# Altium PCB m-BLANC.PcbDoc (part 9 of 15)
Units mm, origin at the board's own origin, x right, y up, seen from the top; angles counter-clockwise.
Board outline 100 x 100 mm, 6 copper layers (Top Layer, InLayer1 (GND), InLayer2 (Signal), InLayer3 (PWR), InLayer4 (GND), Bottom Layer), stack 1.634 mm thick; 322 components, 563 nets, 2865 pads, 1870 vias.
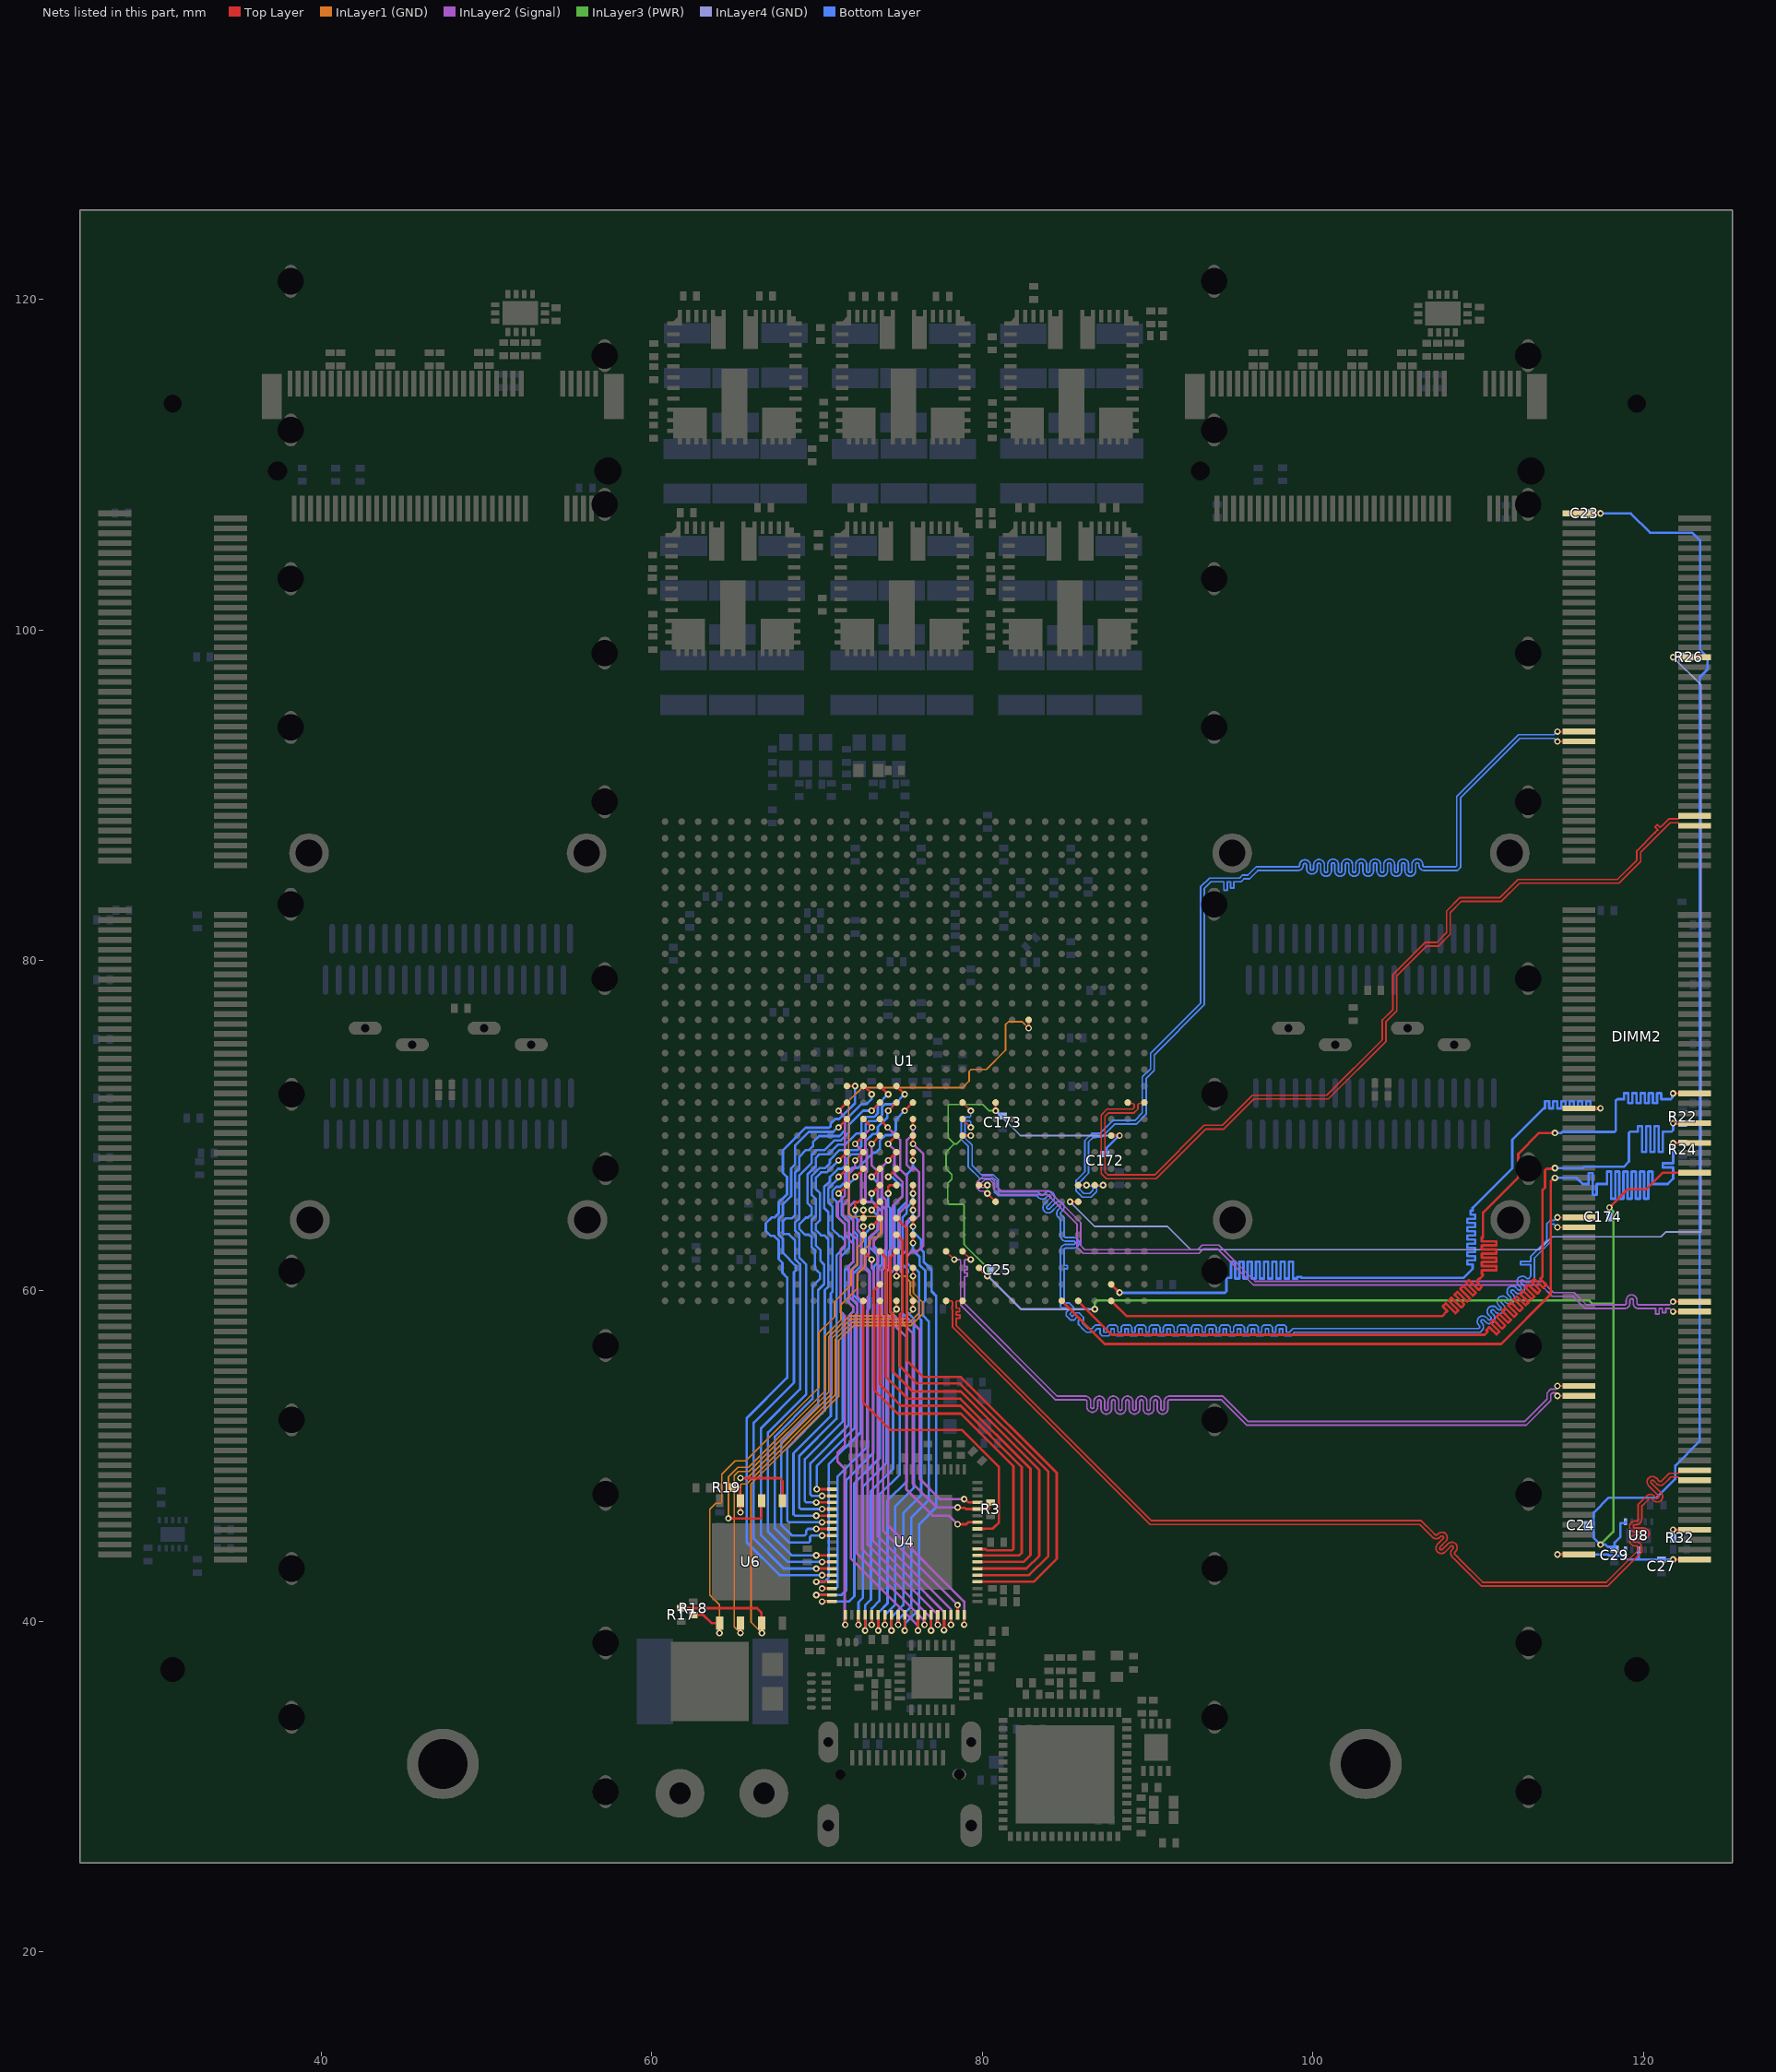
[diagram p13: the nets of this part, all layers, seen from the top]

## Via types
v1: diameter 0.4, hole 0.2, Top Layer to Bottom Layer, tented both sides, 1808 vias
v2: diameter 0.8, hole 0.4, Top Layer to Bottom Layer, tented both sides, 54 vias
v3: diameter 5, hole 3.2, Top Layer to Bottom Layer, 4 vias
v4: diameter 3.5, hole 3.2, Top Layer to Bottom Layer, 4 vias

## Nets (pads, with @x,y where several pads share a name; then routed paths per layer and width w, separated by ;. In a path a pad name is that pad's centre, name@x,y a point inside that pad or via, vN(x,y) a via of type N, cw(c..) or ccw(c..) an arc to the next point about the centre after c; other vN are vias at no path point) (continued)
DRAM2_DQS2_N: DIMM2.45 U1.D23 | length 64.8
  Top Layer w0.1: U1.D23@86.8,66.4 v1(87.3,66.4) ; v1(114.8,93.85) DIMM2.45@116.1,93.85
  Bottom Layer w0.1: v1(87.3,66.4) 87.243,66.343 86.971,66.343 86.913,66.284 86.913,66.007 86.581,65.675 86.044,65.675 85.675,66.044 85.675,66.693 86.2,67.218 86.2,69.113 86.624,69.538 87.119,69.538 87.901,70.319 89.219,70.319 89.681,70.781 89.681,72.952 90.173,73.444 90.173,74.375 93.2,77.402 93.2,84.443 93.745,84.987 95.559,84.987 95.736,85.164 96.069,85.164 96.571,85.666 98.618,85.666 99.096,85.666 ccw(c99.096,85.766) 99.196,85.766 cw(c99.521,85.766) 99.521,86.091 cw(c99.521,85.766) 99.846,85.766 99.846,85.553 ccw(c99.946,85.553) 99.946,85.453 ccw(c99.946,85.553) 100.046,85.553 100.046,85.786 cw(c100.371,85.786) 100.371,86.111 cw(c100.371,85.786) 100.696,85.786 100.696,85.422 ccw(c100.796,85.422) 100.796,85.322 ccw(c100.796,85.422) 100.896,85.422 100.896,85.809 cw(c101.221,85.809) 101.221,86.134 cw(c101.221,85.809) 101.546,85.809 101.546,85.422 ccw(c101.646,85.422) 101.646,85.322 ccw(c101.646,85.422) 101.746,85.422 101.746,85.809 cw(c102.071,85.809) 102.071,86.134 cw(c102.071,85.809) 102.396,85.809 102.396,85.422 ccw(c102.496,85.422) 102.496,85.322 ccw(c102.496,85.422) 102.596,85.422 102.596,85.809 cw(c102.921,85.809) 102.921,86.134 cw(c102.921,85.809) 103.246,85.809 103.246,85.422 ccw(c103.346,85.422) 103.346,85.322 ccw(c103.346,85.422) 103.446,85.422 103.446,85.809 cw(c103.771,85.809) 103.771,86.134 cw(c103.771,85.809) 104.096,85.809 104.096,85.422 ccw(c104.196,85.422) 104.196,85.322 ccw(c104.196,85.422) 104.296,85.422 104.296,85.809 cw(c104.621,85.809) 104.621,86.134 cw(c104.621,85.809) 104.946,85.809 104.946,85.422 ccw(c105.046,85.422) 105.046,85.322 ccw(c105.046,85.422) 105.146,85.422 105.146,85.809 cw(c105.471,85.809) 105.471,86.134 cw(c105.471,85.809) 105.796,85.809 105.796,85.422 ccw(c105.896,85.422) 105.896,85.322 ccw(c105.896,85.422) 105.996,85.422 105.996,85.809 cw(c106.321,85.809) 106.321,86.134 cw(c106.321,85.809) 106.646,85.809 106.646,85.766 ccw(c106.746,85.766) 106.746,85.666 107.333,85.666 108.65,85.666 108.709,85.724 108.709,89.927 112.444,93.662 114.591,93.662 114.779,93.85 v1(114.8,93.85)
DRAM2_DQS2_P: DIMM2.47 U1.E23 | length 65.5
  Top Layer w0.1: U1.E23@85.8,66.4 v1(86.3,66.4) ; v1(114.8,93.25) DIMM2.47@116.1,93.25
  Bottom Layer w0.1: v1(86.3,66.4) 86.357,66.343 86.629,66.343 86.687,66.284 86.687,66.1 86.488,65.9 86.137,65.9 85.9,66.137 85.9,66.6 86.425,67.125 86.425,69.02 86.718,69.313 87.213,69.313 87.994,70.094 89.312,70.094 89.906,70.688 89.906,72.858 90.398,73.351 90.398,74.281 93.425,77.309 93.425,84.349 93.838,84.762 94.366,84.762 94.616,84.762 94.616,84.248 94.816,84.248 94.816,84.762 95.016,84.762 95.016,84.378 95.216,84.378 95.216,84.762 95.457,84.762 95.652,84.762 95.829,84.939 96.162,84.939 96.664,85.441 98.618,85.441 99.096,85.441 ccw(c99.096,85.766) 99.421,85.766 cw(c99.521,85.766) 99.521,85.866 cw(c99.521,85.766) 99.621,85.766 99.621,85.553 ccw(c99.946,85.553) 99.946,85.228 ccw(c99.946,85.553) 100.271,85.553 100.271,85.786 cw(c100.371,85.786) 100.371,85.886 cw(c100.371,85.786) 100.471,85.786 100.471,85.422 ccw(c100.796,85.422) 100.796,85.097 ccw(c100.796,85.422) 101.121,85.422 101.121,85.809 cw(c101.221,85.809) 101.221,85.909 cw(c101.221,85.809) 101.321,85.809 101.321,85.422 ccw(c101.646,85.422) 101.646,85.097 ccw(c101.646,85.422) 101.971,85.422 101.971,85.809 cw(c102.071,85.809) 102.071,85.909 cw(c102.071,85.809) 102.171,85.809 102.171,85.422 ccw(c102.496,85.422) 102.496,85.097 ccw(c102.496,85.422) 102.821,85.422 102.821,85.809 cw(c102.921,85.809) 102.921,85.909 cw(c102.921,85.809) 103.021,85.809 103.021,85.422 ccw(c103.346,85.422) 103.346,85.097 ccw(c103.346,85.422) 103.671,85.422 103.671,85.809 cw(c103.771,85.809) 103.771,85.909 cw(c103.771,85.809) 103.871,85.809 103.871,85.422 ccw(c104.196,85.422) 104.196,85.097 ccw(c104.196,85.422) 104.521,85.422 104.521,85.809 cw(c104.621,85.809) 104.621,85.909 cw(c104.621,85.809) 104.721,85.809 104.721,85.422 ccw(c105.046,85.422) 105.046,85.097 ccw(c105.046,85.422) 105.371,85.422 105.371,85.809 cw(c105.471,85.809) 105.471,85.909 cw(c105.471,85.809) 105.571,85.809 105.571,85.422 ccw(c105.896,85.422) 105.896,85.097 ccw(c105.896,85.422) 106.221,85.422 106.221,85.809 cw(c106.321,85.809) 106.321,85.909 cw(c106.321,85.809) 106.421,85.809 106.421,85.766 ccw(c106.746,85.766) 106.746,85.441 107.333,85.441 108.743,85.441 108.934,85.631 108.934,89.834 112.537,93.437 114.591,93.437 114.779,93.25 v1(114.8,93.25)
DRAM2_DQS3_N: DIMM2.62 U1.A18 | length 54.5
  Top Layer w0.1: U1.A18@89.8,71.4 89.743,71.343 89.471,71.343 89.413,71.284 89.413,71.007 89.181,70.775 87.633,70.775 87.418,70.56 87.418,67.204 87.599,67.022 90.42,67.022 93.422,70.024 94.524,70.024 96.34,71.84 100.84,71.84 104.2,75.2 104.2,76.397 104.847,77.043 104.847,79.156 106.779,81.087 107.49,81.087 108.088,81.685 108.088,82.989 108.903,83.804 111.325,83.804 112.418,84.897 118.425,84.897 119.606,86.078 119.606,86.636 120.71,87.739 120.877,87.907 120.709,88.075 120.85,88.217 121.019,88.049 121.196,88.225 121.533,88.563 122.091,88.563 122.15,88.621 122.15,88.625 122.275,88.75 DIMM2.62@123.1,88.75
DRAM2_DQS3_P: DIMM2.64 U1.B18 | length 54.4
  Top Layer w0.1: U1.B18@88.8,71.4 88.857,71.343 89.129,71.343 89.188,71.284 89.188,71.1 89.088,71 87.539,71 87.193,70.654 87.193,67.11 87.506,66.797 90.514,66.797 93.515,69.799 94.617,69.799 96.433,71.615 100.933,71.615 104.425,75.107 104.425,76.304 105.072,76.95 105.072,79.062 106.872,80.862 107.583,80.862 108.313,81.592 108.313,82.896 108.996,83.579 111.418,83.579 112.512,84.672 118.519,84.672 119.831,85.985 119.831,86.543 121.626,88.337 122.091,88.337 122.15,88.279 122.15,88.275 122.275,88.15 DIMM2.64@123.1,88.15
DRAM2_DQS4_N: DIMM2.135 U1.M19 | length 72.6
  Top Layer w0.1: U1.M19@78.8,70.4 v1(79.3,69.9) ; v1(114.8,64.45) DIMM2.135@116.1,64.45
  Bottom Layer w0.1: v1(79.3,69.9) 79.3,70.233 79.241,70.292 79.04,70.292 78.95,70.202 78.95,69.255 79.375,68.83 79.375,67.595 79.938,67.032 80.668,67.032 80.95,66.75 80.95,66.086 81.032,66.003 83.361,66.003 83.435,65.93 83.549,65.816 ; 83.549,65.815 ccw(c83.62,65.886) 83.691,65.815 83.81,65.934 cw(c84.041,65.705) 84.303,65.514 84.303,65.508 83.917,65.121 ccw(c83.987,65.05) 83.916,64.979 ccw(c83.987,65.05) 84.058,64.98 ; 84.058,64.98 84.395,65.317 cw(c84.626,65.088) 84.856,64.858 84.752,64.755 ccw(c84.822,64.684) 84.752,64.612 84.95,64.414 84.95,64.325 84.95,64.161 84.95,63.501 84.95,63.339 ccw(c85.05,63.339) 85.05,63.239 85.525,63.239 cw(c85.525,62.914) 85.85,62.914 cw(c85.525,62.914) 85.525,62.589 85.05,62.589 ccw(c85.05,62.489) 84.95,62.489 84.95,61.901 84.95,61.893 84.95,61.543 85.136,61.543 85.136,61.343 84.95,61.343 84.95,61.093 84.95,59.417 84.95,59.203 84.983,59.203 85.057,59.277 85.244,59.277 85.517,59.004 85.517,58.818 85.302,58.602 85.443,58.461 85.658,58.676 85.845,58.676 86.118,58.403 86.118,58.217 86.043,58.142 86.043,58.059 86.108,57.995 86.19,57.913 86.358,57.745 86.377,57.726 86.473,57.726 86.641,57.726 86.699,57.784 86.699,57.801 86.831,57.933 87.218,57.933 87.349,57.801 87.349,57.504 87.549,57.504 87.549,57.807 87.681,57.939 88.068,57.939 88.199,57.807 88.199,57.504 88.399,57.504 88.399,57.807 88.531,57.939 88.918,57.939 89.049,57.807 89.049,57.504 89.249,57.504 89.249,57.807 89.381,57.939 89.768,57.939 89.899,57.807 89.899,57.504 90.099,57.504 90.099,57.807 90.231,57.939 90.618,57.939 90.749,57.807 90.749,57.504 90.949,57.504 90.949,57.807 91.081,57.939 91.468,57.939 91.599,57.807 91.599,57.504 91.799,57.504 91.799,57.807 91.931,57.939 92.318,57.939 92.449,57.807 92.449,57.504 92.649,57.504 92.649,57.807 92.781,57.939 93.168,57.939 93.299,57.807 93.299,57.504 93.499,57.504 93.499,57.807 93.631,57.939 94.018,57.939 94.149,57.807 94.149,57.504 94.349,57.504 94.349,57.807 94.481,57.939 94.868,57.939 94.999,57.807 94.999,57.504 95.199,57.504 95.199,57.807 95.331,57.939 95.718,57.939 95.849,57.807 95.849,57.504 96.049,57.504 96.049,57.807 96.181,57.939 96.568,57.939 96.699,57.807 96.699,57.504 96.899,57.504 96.899,57.807 97.031,57.939 97.418,57.939 97.549,57.807 97.549,57.504 97.749,57.504 97.749,57.807 97.881,57.939 98.268,57.939 98.399,57.807 98.399,57.504 98.599,57.504 98.599,57.535 98.79,57.726 98.999,57.726 109.877,57.726 110.031,57.726 110.068,57.763 ccw(c109.998,57.834) 110.068,57.905 ; 110.068,57.906 110.043,57.93 cw(c110.273,58.16) 110.503,58.389 110.616,58.276 ; 110.617,58.276 ccw(c110.688,58.346) 110.758,58.276 ccw(c110.688,58.346) 110.759,58.417 110.644,58.531 cw(c110.874,58.761) 110.644,58.991 cw(c110.874,58.761) 111.104,58.991 111.217,58.877 ccw(c111.289,58.947) 111.36,58.877 ccw(c111.289,58.947) 111.36,59.018 ; 111.359,59.019 111.245,59.132 cw(c111.475,59.362) 111.705,59.592 ; 111.705,59.592 111.818,59.478 ccw(c111.89,59.548) 111.961,59.478 ccw(c111.89,59.548) 111.961,59.619 ; 111.96,59.62 111.846,59.734 cw(c112.076,59.963) 111.846,60.193 cw(c112.076,59.963) 112.306,60.193 112.419,60.08 ; 112.42,60.079 ccw(c112.491,60.149) 112.562,60.079 ccw(c112.491,60.149) 112.562,60.22 ; 112.561,60.221 112.447,60.335 cw(c112.677,60.564) 112.907,60.794 112.932,60.769 ccw(c113.003,60.839) 113.074,60.769 113.179,60.874 113.179,61.322 113.179,61.537 113.179,61.587 112.566,61.587 112.566,61.787 113.179,61.787 113.179,62.083 113.179,62.088 114.166,63.075 114.166,64.076 114.353,64.262 114.591,64.262 114.779,64.45 v1(114.8,64.45)
DRAM2_DQS4_P: DIMM2.137 U1.M18 | length 71.8
  Top Layer w0.1: U1.M18@78.8,71.4 v1@79.291,70.909 ; v1(114.8,63.85) DIMM2.137@116.1,63.85
  Bottom Layer w0.1: v1@79.3,70.909 79.3,70.576 79.241,70.517 78.947,70.517 78.725,70.295 78.725,69.162 79.15,68.737 79.15,67.502 79.845,66.807 80.575,66.807 80.641,66.741 80.725,66.657 80.725,65.993 80.939,65.778 83.268,65.778 83.275,65.771 83.39,65.657 ; 83.391,65.655 ccw(c83.62,65.886) 83.851,65.656 83.969,65.775 ; 83.969,65.775 cw(c84.041,65.705) 84.111,65.634 83.758,65.281 ccw(c83.987,65.05) 83.756,64.821 ccw(c83.987,65.05) 83.757,64.82 ccw(c83.987,65.05) 83.758,64.819 ccw(c83.987,65.05) 84.178,64.787 84.184,64.787 84.555,65.158 ; 84.555,65.159 cw(c84.626,65.088) 84.696,65.017 84.593,64.914 ccw(c84.822,64.684) 84.593,64.453 84.725,64.321 84.725,63.936 84.725,63.501 84.725,63.339 ccw(c85.05,63.339) 85.05,63.014 85.525,63.014 cw(c85.525,62.914) 85.625,62.914 cw(c85.525,62.914) 85.525,62.814 85.05,62.814 ccw(c85.05,62.489) 84.725,62.489 84.725,61.901 84.725,59.192 84.725,59.06 84.741,59.044 84.807,58.978 85.076,58.978 85.15,59.052 85.292,58.911 85.077,58.696 85.077,58.509 85.35,58.236 85.536,58.236 85.751,58.451 85.893,58.31 85.818,58.235 85.818,57.966 85.949,57.836 86.031,57.754 86.284,57.501 86.358,57.501 86.473,57.501 86.734,57.501 86.924,57.691 86.924,57.708 87.124,57.708 87.124,57.411 87.256,57.279 87.643,57.279 87.774,57.411 87.774,57.714 87.974,57.714 87.974,57.411 88.106,57.279 88.493,57.279 88.624,57.411 88.624,57.714 88.824,57.714 88.824,57.411 88.956,57.279 89.343,57.279 89.474,57.411 89.474,57.714 89.674,57.714 89.674,57.411 89.806,57.279 90.193,57.279 90.324,57.411 90.324,57.714 90.524,57.714 90.524,57.411 90.656,57.279 91.043,57.279 91.174,57.411 91.174,57.714 91.374,57.714 91.374,57.411 91.506,57.279 91.893,57.279 92.024,57.411 92.024,57.714 92.224,57.714 92.224,57.411 92.356,57.279 92.743,57.279 92.874,57.411 92.874,57.714 93.074,57.714 93.074,57.411 93.206,57.279 93.593,57.279 93.724,57.411 93.724,57.714 93.924,57.714 93.924,57.411 94.056,57.279 94.443,57.279 94.574,57.411 94.574,57.714 94.774,57.714 94.774,57.411 94.906,57.279 95.293,57.279 95.424,57.411 95.424,57.714 95.624,57.714 95.624,57.411 95.756,57.279 96.143,57.279 96.274,57.411 96.274,57.714 96.474,57.714 96.474,57.411 96.606,57.279 96.993,57.279 97.124,57.411 97.124,57.714 97.324,57.714 97.324,57.411 97.456,57.279 97.843,57.279 97.974,57.411 97.974,57.714 98.174,57.714 98.174,57.411 98.306,57.279 98.693,57.279 98.824,57.411 98.824,57.442 98.883,57.501 98.999,57.501 110.102,57.501 110.124,57.501 110.227,57.604 ; 110.227,58.064 110.203,58.089 cw(c110.273,58.16) 110.202,58.231 cw(c110.273,58.16) 110.344,58.231 110.458,58.117 ccw(c110.688,58.346) 110.917,58.577 110.804,58.69 ; 110.228,57.604 ccw(c109.998,57.834) 110.261,58.025 110.261,58.031 110.228,58.064 ; 110.803,58.832 ccw(c110.874,58.761) 110.804,58.69 ; 110.804,58.832 cw(c110.874,58.761) 110.945,58.832 111.059,58.718 ccw(c111.289,58.947) 111.518,59.178 ; 111.518,59.178 111.405,59.291 cw(c111.475,59.362) 111.404,59.433 cw(c111.475,59.362) 111.546,59.433 ; 111.546,59.432 111.66,59.319 ccw(c111.89,59.548) 112.119,59.779 112.006,59.892 ; 112.006,59.892 cw(c112.076,59.963) 112.005,60.034 cw(c112.076,59.963) 112.147,60.034 ; 112.147,60.033 112.261,59.92 ccw(c112.491,60.149) 112.72,60.38 112.607,60.493 ; 112.607,60.493 cw(c112.677,60.564) 112.606,60.635 cw(c112.677,60.564) 112.748,60.635 112.773,60.61 ccw(c113.003,60.839) 113.233,60.61 113.404,60.78 113.404,61.097 113.404,61.995 114.391,62.982 114.391,63.982 114.446,64.037 114.6,64.037 114.787,63.85 v1(114.8,63.85)
  other v1: 79.3,70.9
DRAM2_DQS5_N: DIMM2.152 U1.K24 | length 50.8
  Top Layer w0.1: v1(80.3,65.9) U1.K24@80.8,65.4 ; v1(121.8,59.35) DIMM2.152@123.1,59.35
  InLayer2 (Signal) w0.1: v1(80.3,65.9) 80.229,65.9 80.091,66.038 79.857,66.038 79.666,66.228 79.666,66.58 80.062,66.975 80.538,66.975 80.899,66.614 80.899,66.306 81.155,66.05 84.043,66.05 85.95,64.143 85.95,63.09 85.95,62.744 86.194,62.5 93.022,62.5 93.297,62.775 94.307,62.775 96.496,60.586 113.888,60.586 114.573,59.9 115.818,59.9 116.556,59.162 118.7,59.162 118.863,59.162 ccw(c118.863,59.262) 118.963,59.262 118.963,59.438 cw(c119.288,59.438) 119.288,59.763 cw(c119.288,59.438) 119.613,59.438 119.613,59.262 ccw(c119.713,59.262) 119.713,59.162 120.5,59.162 121.591,59.162 121.779,59.35 v1(121.8,59.35)
DRAM2_DQS5_P: DIMM2.154 U1.L23 | length 51
  Top Layer w0.1: U1.L23@79.8,66.4 v1(80.3,66.4) ; v1(121.8,58.75) DIMM2.154@123.1,58.75
  InLayer2 (Signal) w0.1: v1(80.3,66.4) 80.229,66.4 80.091,66.263 79.95,66.263 79.891,66.321 79.891,66.486 80.155,66.75 80.445,66.75 80.674,66.521 80.674,66.213 81.062,65.825 83.95,65.825 85.725,64.05 85.725,63.183 85.725,62.651 86.101,62.275 93.115,62.275 93.39,62.55 94.214,62.55 96.403,60.361 113.795,60.361 114.48,59.675 115.725,59.675 116,59.4 116.159,59.241 116.463,58.937 118.7,58.937 118.863,58.937 ccw(c118.863,59.262) 119.188,59.262 119.188,59.438 cw(c119.288,59.438) 119.288,59.538 cw(c119.288,59.438) 119.388,59.438 119.388,59.262 ccw(c119.713,59.262) 119.713,58.937 120.5,58.937 120.75,58.937 120.75,58.607 120.95,58.607 120.95,58.937 121.15,58.937 121.15,58.685 121.35,58.685 121.35,58.937 121.531,58.937 121.591,58.937 121.779,58.75 v1(121.8,58.75)
DRAM2_DQS6_N: DIMM2.169 U1.M27 | length 53.6
  Top Layer w0.1: U1.M27@78.8,62.4 v1(79.3,61.9) ; v1(114.8,54.25) DIMM2.169@116.1,54.25
  InLayer2 (Signal) w0.1: v1(79.3,61.9) 78.971,61.9 78.913,61.841 78.913,61.736 78.913,61.481 79.08,61.481 79.08,61.281 78.913,61.281 78.913,61.081 79.092,61.081 79.092,60.881 78.913,60.881 78.913,60.631 78.913,59.249 84.527,53.635 85.7,53.635 86.227,53.635 cw(c86.227,53.31) 86.552,53.31 86.552,52.989 ccw(c86.652,52.989) 86.652,52.889 ccw(c86.652,52.989) 86.752,52.989 86.752,53.311 cw(c87.077,53.311) 87.077,53.636 cw(c87.077,53.311) 87.402,53.311 87.402,52.876 ccw(c87.502,52.876) 87.502,52.776 ccw(c87.502,52.876) 87.602,52.876 87.602,53.311 cw(c87.927,53.311) 87.927,53.636 cw(c87.927,53.311) 88.252,53.311 88.252,52.876 ccw(c88.352,52.876) 88.352,52.776 ccw(c88.352,52.876) 88.452,52.876 88.452,53.311 cw(c88.777,53.311) 88.777,53.636 cw(c88.777,53.311) 89.102,53.311 89.102,52.876 ccw(c89.202,52.876) 89.202,52.776 ccw(c89.202,52.876) 89.302,52.876 89.302,53.311 cw(c89.627,53.311) 89.627,53.636 cw(c89.627,53.311) 89.952,53.311 89.952,52.876 ccw(c90.052,52.876) 90.052,52.776 ccw(c90.052,52.876) 90.152,52.876 90.152,53.311 cw(c90.477,53.311) 90.477,53.636 cw(c90.477,53.311) 90.802,53.311 90.802,52.876 ccw(c90.902,52.876) 90.902,52.776 ccw(c90.902,52.876) 91.002,52.876 91.002,53.31 cw(c91.327,53.31) 91.327,53.635 91.489,53.635 94.56,53.635 96.095,52.1 112.81,52.1 114.175,53.465 114.175,53.831 114.407,54.062 114.694,54.062 114.8,54.169 v1(114.8,54.25) v1@114.779,54.25
DRAM2_DQS6_P: DIMM2.171 U1.N27 | length 53.4
  Top Layer w0.1: U1.N27@77.8,62.4 v1(78.3,61.9) ; v1(114.8,53.65) DIMM2.171@116.1,53.65
  InLayer2 (Signal) w0.1: v1(78.3,61.9) 78.629,61.9 78.688,61.841 78.688,59.156 84.433,53.41 85.7,53.41 86.227,53.41 cw(c86.227,53.31) 86.327,53.31 86.327,52.989 ccw(c86.652,52.989) 86.652,52.664 ccw(c86.652,52.989) 86.977,52.989 86.977,53.311 cw(c87.077,53.311) 87.077,53.411 cw(c87.077,53.311) 87.177,53.311 87.177,52.876 ccw(c87.502,52.876) 87.502,52.551 ccw(c87.502,52.876) 87.827,52.876 87.827,53.311 cw(c87.927,53.311) 87.927,53.411 cw(c87.927,53.311) 88.027,53.311 88.027,52.876 ccw(c88.352,52.876) 88.352,52.551 ccw(c88.352,52.876) 88.677,52.876 88.677,53.311 cw(c88.777,53.311) 88.777,53.411 cw(c88.777,53.311) 88.877,53.311 88.877,52.876 ccw(c89.202,52.876) 89.202,52.551 ccw(c89.202,52.876) 89.527,52.876 89.527,53.311 cw(c89.627,53.311) 89.627,53.411 cw(c89.627,53.311) 89.727,53.311 89.727,52.876 ccw(c90.052,52.876) 90.052,52.551 ccw(c90.052,52.876) 90.377,52.876 90.377,53.311 cw(c90.477,53.311) 90.477,53.411 cw(c90.477,53.311) 90.577,53.311 90.577,52.876 ccw(c90.902,52.876) 90.902,52.551 ccw(c90.902,52.876) 91.227,52.876 91.227,53.31 cw(c91.327,53.31) 91.327,53.41 91.489,53.41 94.467,53.41 96.002,51.875 112.904,51.875 114.4,53.372 114.4,53.737 114.5,53.837 114.694,53.837 114.8,53.731 v1(114.8,53.65) v1@114.736,53.65
DRAM2_DQS7_N: DIMM2.186 U1.M30 | length 64.5
  Top Layer w0.1: U1.M30@78.8,59.4 78.471,59.4 78.413,59.341 78.413,58.951 78.626,58.951 78.626,58.751 78.413,58.751 78.413,58.551 78.646,58.551 78.646,58.351 78.413,58.351 78.413,58.101 78.413,57.923 90.238,46.097 106.558,46.097 107.277,45.377 107.392,45.263 ; 107.392,45.263 ccw(c107.463,45.333) 107.534,45.263 ; 107.534,45.263 107.574,45.303 cw(c107.805,45.074) 108.068,44.883 108.068,44.877 107.702,44.512 ccw(c107.772,44.44) 107.701,44.369 ccw(c107.772,44.44) 107.843,44.37 108.175,44.702 cw(c108.406,44.473) 108.669,44.282 108.669,44.276 108.595,44.202 ccw(c108.665,44.131) 108.595,44.06 108.722,43.933 108.87,43.785 110.282,42.373 117.756,42.373 119.675,44.292 119.675,44.313 119.675,44.475 ccw(c119.575,44.475) 119.575,44.575 119.488,44.575 cw(c119.488,44.9) 119.163,44.9 cw(c119.488,44.9) 119.488,45.225 120.022,45.225 ccw(c120.022,45.325) 120.122,45.325 ccw(c120.022,45.325) 120.022,45.425 119.488,45.425 cw(c119.488,45.75) 119.163,45.75 cw(c119.488,45.75) 119.488,46.075 119.575,46.075 ccw(c119.575,46.175) 119.675,46.175 119.675,46.871 ; 119.675,46.871 119.675,47.033 119.675,47.07 119.811,47.207 119.926,47.321 ; 120.907,47.484 cw(c120.837,47.556) 120.766,47.485 120.658,47.593 120.625,47.626 120.619,47.626 ccw(c120.428,47.363) 120.198,47.593 119.927,47.322 ; 120.907,47.627 120.314,48.219 cw(c120.544,48.449) 120.774,48.679 120.958,48.495 ccw(c121.029,48.566) 121.1,48.495 121.4,48.795 ; 120.908,47.485 ccw(c120.837,47.556) 120.908,47.626 ; 121.4,48.796 121.515,48.91 121.567,48.962 122.091,48.962 122.15,49.021 122.15,49.025 122.275,49.15 DIMM2.186@123.1,49.15 ; 119.927,47.322 ccw(c120.006,47.242) 119.926,47.321
DRAM2_DQS7_P: DIMM2.188 U1.N30 | length 64
  Top Layer w0.1: U1.N30@77.8,59.4 78.129,59.4 78.187,59.341 78.187,59.335 78.187,59.085 78.162,59.085 78.162,58.885 78.187,58.885 78.187,58.643 78.187,57.829 90.145,45.872 106.464,45.872 107.118,45.218 107.232,45.104 ; 107.234,45.103 ccw(c107.463,45.333) 107.693,45.104 107.734,45.144 cw(c107.805,45.074) 107.875,45.003 107.543,44.671 ccw(c107.772,44.44) 107.541,44.212 ccw(c107.772,44.44) 107.542,44.21 ccw(c107.772,44.44) 107.543,44.209 ccw(c107.772,44.44) 107.963,44.177 ; 107.963,44.177 107.969,44.177 108.335,44.543 cw(c108.406,44.473) 108.476,44.402 108.436,44.361 ccw(c108.665,44.131) 108.436,43.901 108.596,43.741 ccw(c108.676,43.82) 108.597,43.74 108.711,43.626 110.189,42.148 117.849,42.148 119.9,44.198 119.9,44.313 119.9,44.475 ccw(c119.575,44.475) 119.575,44.8 119.488,44.8 cw(c119.488,44.9) 119.388,44.9 cw(c119.488,44.9) 119.488,45 120.022,45 ccw(c120.022,45.325) 120.347,45.325 ccw(c120.022,45.325) 120.022,45.65 119.488,45.65 cw(c119.488,45.75) 119.388,45.75 cw(c119.488,45.75) 119.488,45.85 119.575,45.85 ccw(c119.575,46.175) 119.9,46.175 119.9,46.871 ; 119.9,46.871 119.9,46.977 119.956,47.033 119.97,47.048 120.085,47.162 ccw(c120.006,47.242) 120.086,47.163 120.357,47.434 cw(c120.428,47.363) 120.499,47.434 ; 120.474,48.378 cw(c120.544,48.449) 120.473,48.52 cw(c120.544,48.449) 120.615,48.52 ; 120.474,48.378 121.066,47.786 cw(c120.837,47.556) 121.067,47.326 cw(c120.837,47.556) 120.607,47.326 120.5,47.433 ; 120.615,48.519 120.799,48.336 ccw(c121.029,48.566) 121.259,48.336 121.559,48.636 ; 121.56,48.637 121.66,48.737 121.688,48.737 122.091,48.737 122.15,48.679 122.15,48.675 122.275,48.55 DIMM2.188@123.1,48.55